# Allegro board MB1248D.brd (continued)
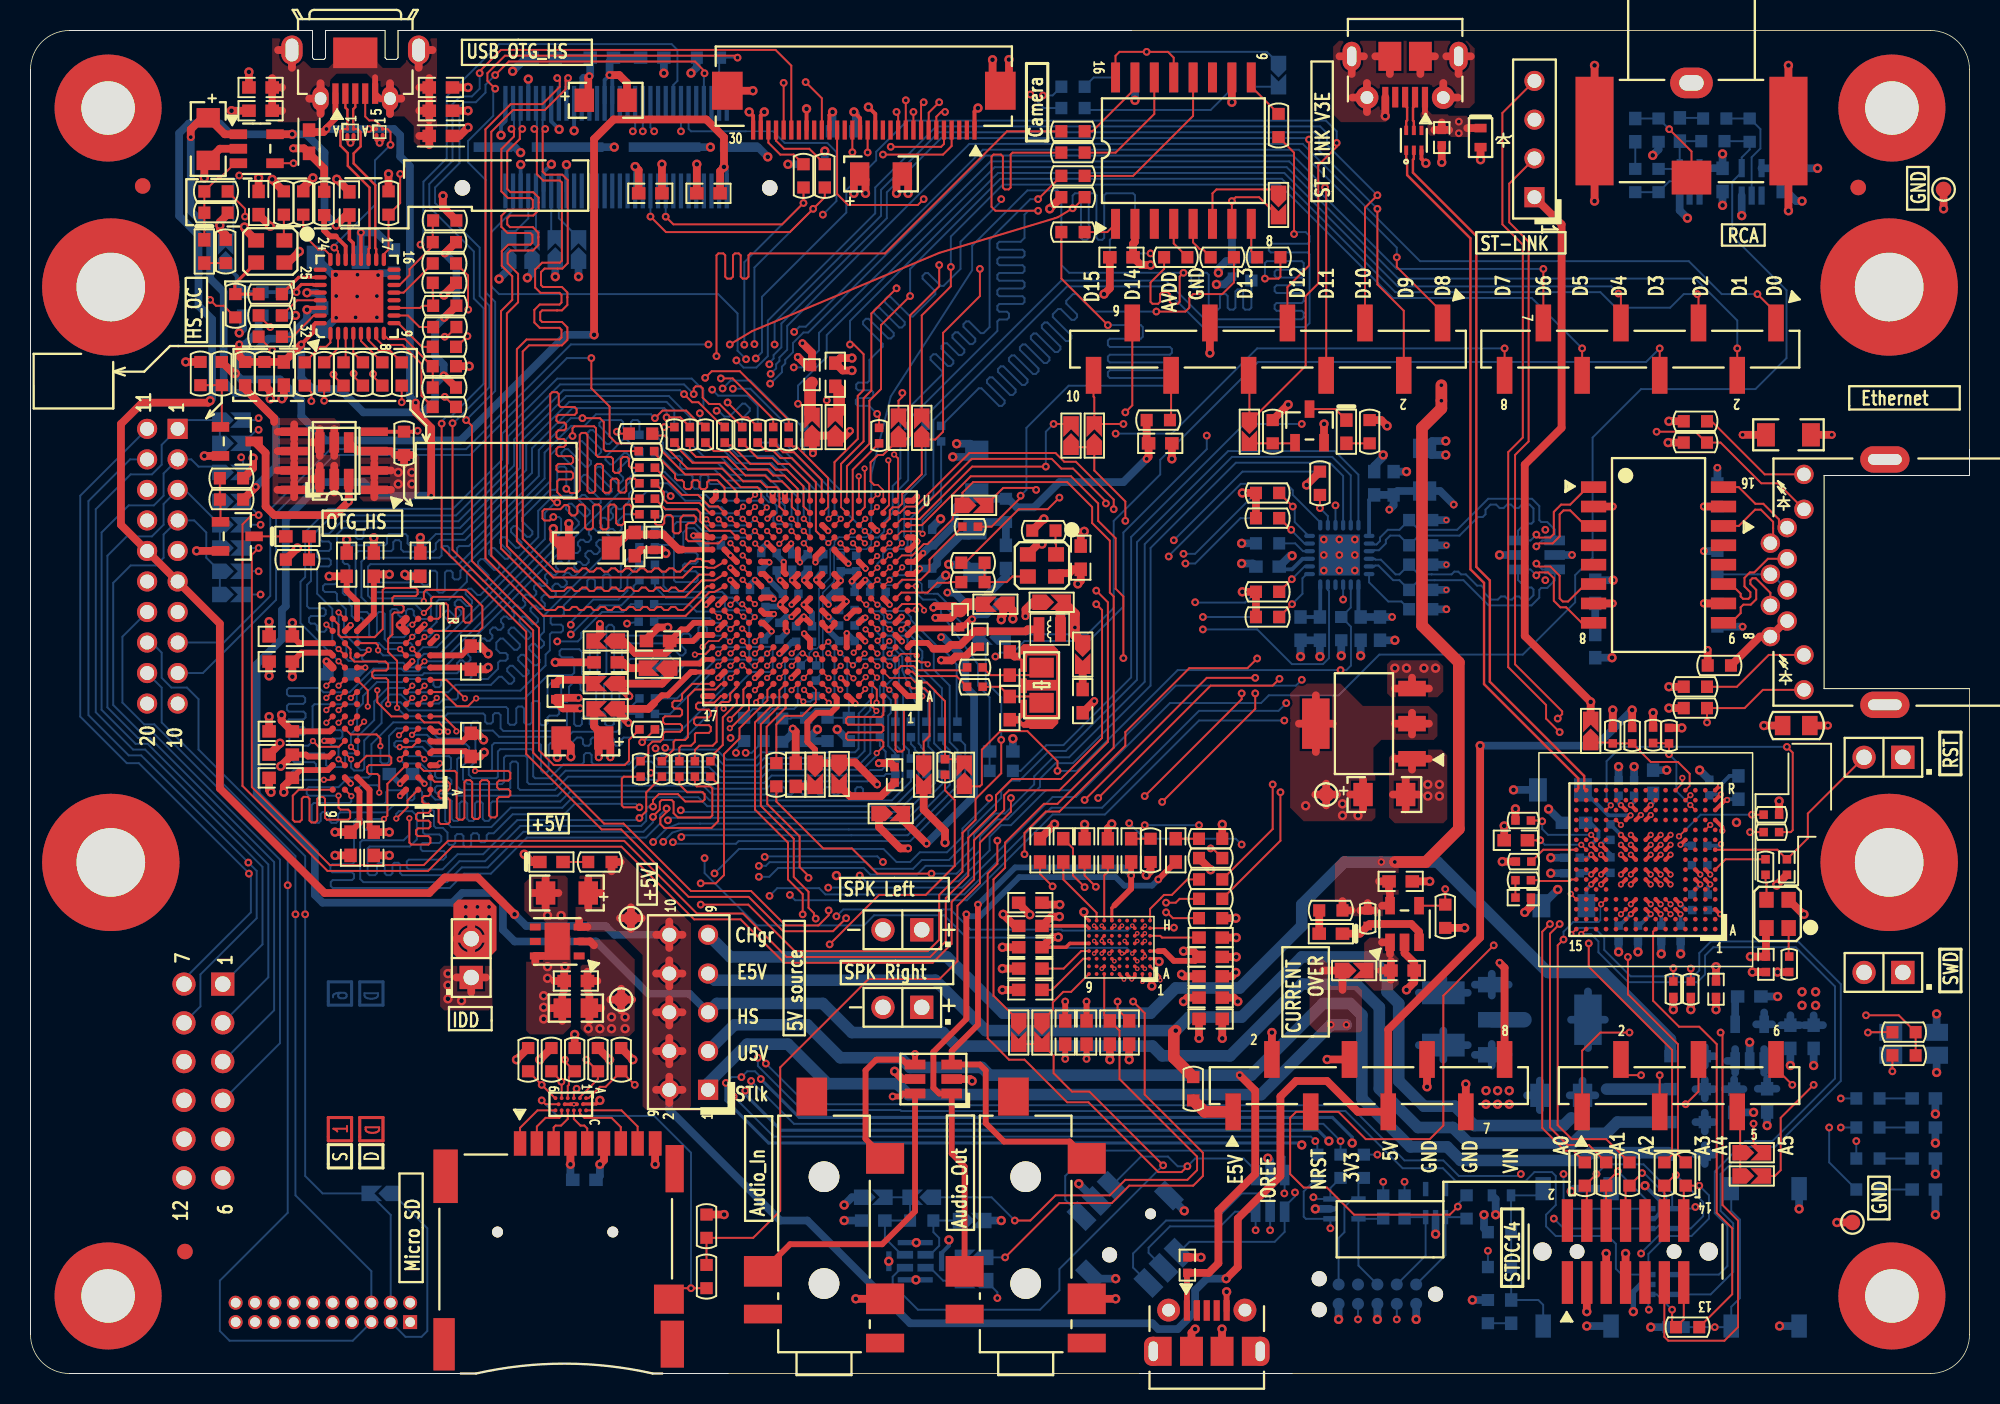
[diagram p0: board, top side]
## Routing (per net, layer and track width the routed paths; a pad name or vN(x,y) marks a point on that pad's centre or on a via; arc(x,y) is an arc through that point) (continued)
ULPI_D2: length 67.7
  TOP w0.127: v2(54.63,59.3) 54.64,59.3 54.64,56.77 U6.T5 ; v1(22.43,65.5) 22.43,65.34 R39.2
  L4_SIG w0.102: v2(54.63,59.3) 54.61,59.31 54.61,59.58 54.72,59.68 55.65,59.68 55.75,59.78 55.75,60.01 55.65,60.11 55.31,60.11 55.21,60.21 55.21,60.45 55.31,60.55 55.75,60.55 55.91,60.71 55.91,60.96 55.81,61.06 55.3,61.06 55.2,61.16 55.2,61.36 55.3,61.46 55.81,61.46 55.91,61.56 55.91,61.77 55.81,61.87 55.3,61.87 55.2,61.97 55.2,62.17 55.3,62.28 55.81,62.28 55.91,62.38 55.91,63.15 55.33,63.74 55.33,67.82 50.38,72.76 40.16,72.76 39.17,71.77 36.86,71.77 36.68,71.95 36.68,72.38 36.58,72.48 30.43,72.48 29.75,71.79 25.66,71.79 24.31,70.45 24.31,67.83 24.03,67.55 20.4,67.55 20.3,67.45 20.3,67.17 20.4,67.07 22.31,67.07 22.43,66.94 22.43,66.71 22.33,66.61 20.45,66.61 20.35,66.51 20.35,66.31 20.45,66.21 21.47,66.21 21.57,66.11 21.57,65.72 21.67,65.62 21.87,65.62 21.98,65.72 21.98,66.11 22.08,66.21 22.31,66.21 22.43,66.08 v1(22.43,65.5)
ULPI_D3: length 68.8
  TOP w0.102: U6.P11 49.46,54.78 v2(49.05,54.36)
  TOP w0.127: R40.2 v1(24.31,63.64)
  L4_SIG w0.102: v2(49.05,54.36) 49.48,54.8 49.48,55.36 49.74,55.61 50.09,55.61 50.27,55.79 50.27,56.35 50.68,56.76 50.68,57.24 52.63,59.19 52.63,62.24 52.91,62.52 52.91,64.91 52.63,65.2 52.63,67.86 50.88,69.61 38.03,69.61 37.9,69.48 37.9,68.87 37.77,68.75 36.43,68.75 36.33,68.65 36.33,67.83 36.23,67.73 36.02,67.73 35.92,67.83 35.92,68.65 35.82,68.75 35.62,68.75 35.51,68.65 35.51,67.83 35.41,67.73 35.21,67.73 35.11,67.83 35.11,68.65 35.01,68.75 34.8,68.75 34.7,68.65 34.7,67.83 34.6,67.73 34.4,67.73 34.29,67.83 34.29,68.65 34.19,68.75 33.99,68.75 33.89,68.65 33.89,67.83 33.79,67.73 33.58,67.73 33.48,67.83 33.48,68.65 33.38,68.75 33.18,68.75 33.08,68.65 33.08,67.83 32.97,67.73 32.77,67.73 32.67,67.83 32.67,68.65 32.57,68.75 32.36,68.75 32.26,68.65 32.26,67.83 32.16,67.73 31.96,67.73 31.86,67.83 31.86,68.65 31.75,68.75 31.55,68.75 31.45,68.65 31.45,67.83 31.35,67.73 31.15,67.73 31.04,67.83 31.04,68.65 30.94,68.75 30.74,68.75 30.64,68.65 30.64,67.83 30.54,67.73 30.33,67.73 30.23,67.83 30.23,68.65 30.13,68.75 29.93,68.75 29.82,68.65 29.82,67.91 29.7,67.78 29.49,67.78 29.39,67.88 29.39,68.67 29.32,68.75 26.75,68.75 26.24,68.24 26.24,63.31 25.89,62.96 24.41,62.96 24.31,63.06 v1(24.31,63.64)
ULPI_D4: length 64.5
  TOP w0.102: U6.P12 v2(48.25,55.2)
  TOP w0.127: R42.2 27.79,63.34 v1(27.13,64)
  L4_SIG w0.102: v1(27.13,64) 26.65,64 26.55,64.1 26.55,68.11 26.88,68.44 28.96,68.44 29.06,68.34 29.06,67.58 29.21,67.43 38.16,67.43 38.26,67.53 38.26,69.2 38.36,69.31 38.56,69.31 38.66,69.2 38.66,67.53 38.77,67.43 38.97,67.43 39.07,67.53 39.07,69.2 39.17,69.31 39.37,69.31 39.48,69.2 39.48,67.53 39.58,67.43 39.78,67.43 39.88,67.53 39.88,69.2 39.98,69.31 40.19,69.31 40.29,69.2 40.29,67.53 40.39,67.43 40.59,67.43 40.7,67.53 40.7,69.2 40.8,69.31 41,69.31 41.1,69.2 41.1,67.53 41.2,67.43 41.51,67.43 41.61,67.53 41.61,69.18 41.71,69.28 42.07,69.28 42.09,69.31 50.73,69.31 52.32,67.71 52.32,65.07 52.61,64.79 52.61,62.65 52.32,62.36 52.32,59.32 50.4,57.39 50.4,56.99 49.89,56.48 48.93,56.48 48.62,56.17 48.62,55.58 v2(48.25,55.2)
ULPI_D5: length 67.6
  TOP w0.102: U6.T14 v2(47.45,56.78)
  TOP w0.127: v1(28.62,67.97) 27.92,67.27 R29.2
  L4_SIG w0.102: v1(28.62,67.97) 28.24,67.97 28.1,67.83 28.1,63.44 28.2,63.34 28.45,63.34 28.55,63.44 28.55,65.22 28.66,65.32 28.86,65.32 28.96,65.22 28.96,63.44 29.06,63.34 29.27,63.34 29.37,63.44 29.37,66.99 29.47,67.1 29.67,67.1 29.77,66.99 29.77,63.44 29.88,63.34 30.18,63.34 30.28,63.44 30.28,66.89 30.41,67.02 35.57,67.02 35.67,66.92 35.67,66.41 35.77,66.31 35.97,66.31 36.07,66.41 36.07,66.92 36.18,67.02 37.41,67.02 37.51,66.92 37.51,66.46 37.61,66.36 37.81,66.36 37.91,66.46 37.91,66.92 38.02,67.02 38.22,67.02 38.32,66.92 38.32,66.46 38.42,66.36 38.63,66.36 38.73,66.46 38.73,66.92 38.83,67.02 39.03,67.02 39.13,66.92 39.13,66.46 39.24,66.36 39.44,66.36 39.54,66.46 39.54,66.92 39.64,67.02 39.84,67.02 39.95,66.92 39.95,66.46 40.05,66.36 40.25,66.36 40.35,66.46 40.35,66.92 40.45,67.02 40.66,67.02 40.76,66.92 40.76,66.46 40.86,66.36 41.06,66.36 41.17,66.46 41.17,66.92 41.27,67.02 41.47,67.02 41.57,66.92 41.57,66.46 41.67,66.36 41.88,66.36 41.98,66.46 41.98,68.76 42.17,68.95 42.37,68.95 42.42,69 50.6,69 51.64,67.96 51.64,67.71 51.64,67.71 51.64,62.96 51.36,62.68 51.36,61.13 47.81,57.58 47.81,57.44 47.45,57.08 v2(47.45,56.78)
ULPI_D6: length 67.7
  TOP w0.102: U6.U14 v2(47.46,57.59)
  TOP w0.127: v1(27.13,67.93) 27.26,67.93 R27.2
  L4_SIG w0.102: v1(27.13,67.93) 27.51,67.93 27.61,67.83 27.61,67.5 27.51,67.4 27.03,67.4 26.93,67.3 26.93,67.1 27.03,66.99 27.51,66.99 27.61,66.89 27.61,66.69 27.51,66.59 27.03,66.59 26.93,66.49 26.93,66.28 27.03,66.18 27.51,66.18 27.61,66.08 27.61,63.16 27.77,63.01 30.56,63.01 30.66,63.11 30.66,65.9 30.77,66 30.97,66 31.07,65.9 31.07,63.11 31.17,63.01 31.38,63.01 31.48,63.11 31.48,65.9 31.58,66 31.78,66 31.88,65.9 31.88,63.11 31.99,63.01 32.19,63.01 32.29,63.11 32.29,65.9 32.39,66 32.59,66 32.7,65.9 32.7,63.11 32.8,63.01 33,63.01 33.1,63.11 33.1,65.9 33.2,66 42.3,66 42.4,66.11 42.4,68.54 42.55,68.7 50.48,68.7 51.34,67.83 51.34,63.08 51.06,62.8 51.06,61.26 47.46,57.66 v2(47.46,57.59)
ULPI_D7: length 68.1
  TOP w0.127: v1(28.67,69.71) 28.66,69.72 28.66,71.95 R21.2 ; v2(54.67,44.85) 54.67,44.8 U6.A5
  L4_SIG w0.102: v1(28.67,69.71) 28.67,69.72 28.91,69.97 30.48,69.97 30.59,69.86 30.59,69.23 30.69,69.13 30.89,69.13 30.99,69.23 30.99,69.86 31.09,69.97 31.3,69.97 31.4,69.86 31.4,69.23 31.5,69.13 31.7,69.13 31.81,69.23 31.81,69.86 31.91,69.97 32.11,69.97 32.21,69.86 32.21,69.23 32.31,69.13 32.52,69.13 32.62,69.23 32.62,69.86 32.72,69.97 32.92,69.97 33.02,69.86 33.02,69.23 33.13,69.13 33.33,69.13 33.43,69.23 33.43,69.86 33.53,69.97 33.74,69.97 33.84,69.86 33.84,69.23 33.94,69.13 34.14,69.13 34.24,69.23 34.24,69.86 34.35,69.97 34.55,69.97 34.65,69.86 34.65,69.23 34.75,69.13 34.96,69.13 35.06,69.23 35.06,69.86 35.16,69.97 35.36,69.97 35.46,69.86 35.46,69.23 35.56,69.13 35.77,69.13 35.87,69.23 35.87,69.86 35.97,69.97 36.17,69.97 36.28,69.86 36.28,69.23 36.38,69.13 36.58,69.13 36.68,69.23 36.68,69.86 36.78,69.97 36.99,69.97 37.09,69.86 37.09,69.23 37.19,69.13 37.39,69.13 37.5,69.23 37.5,69.86 37.6,69.97 50.96,69.97 52.93,67.99 52.93,65.32 53.22,65.04 53.22,62.4 52.93,62.11 52.93,59.06 51.03,57.16 51.03,52.98 52.99,51.02 52.99,49.26 53.24,49.01 53.68,49.01 54.28,48.41 54.28,45.51 54.66,45.13 54.66,44.85 v2(54.67,44.85)
USB_DEV_HS_CN_N: length 2.3
  TOP w0.155: U1.5 90.61,82.05 90.55,82.1 90.55,82.93 90.69,83.07 CN2.2
USB_DEV_HS_CN_P: length 2.3
  TOP w0.155: CN2.3 90.04,83.08 90.17,82.95 90.17,82.12 90.11,82.06 U1.6
USB_DEV_HS_N: length 46.7
  TOP w0.155: U9.R14 101.76,38.35 101.76,39.15 95.59,45.33 95.59,51.96 94.7,52.85 94.7,74.54 90.55,78.69 90.55,79.54 90.61,79.59 U1.2
USB_DEV_HS_P: length 46.7
  TOP w0.155: U1.1 90.11,79.59 90.17,79.54 90.17,78.53 94.32,74.38 94.32,52.69 95.2,51.8 95.2,45.17 101.38,38.99 101.38,38.35 U9.R15
USB_VDDIO: length 36.8
  TOP w0.254: v1(17.73,67.43) 18.55,68.24 18.55,68.7 18.68,68.83 U4.32
  TOP w0.508: R41.2 27.08,65.39 v1(27.06,65.39) ; R16.2 v1(27.13,73.39) ; v1(27.09,69.18) 27.11,69.18 R25.2 ; v1(13.67,67.43) 13.67,66.66 R33.2 R34.2 C14.1 v1(17.73,67.43)
  BOTTOM w0.508: R137.2 14.94,69.08 14.94,68.31 14.05,67.43 v1(13.67,67.43) ; v1(27.13,73.39) 27.89,72.63 27.89,69.99 v1(27.09,69.18) 26.5,68.59 26.5,66.66 27.06,66.1 v1(27.06,65.39) 26.5,64.83 26.5,63.74 25.74,62.98 21.8,62.98 20.27,64.5 18.47,64.5 17.73,65.24 v1(17.73,67.43)
VREF+: length 22.5
  TOP w0.381: U6.M1 57.89,53.19 v2(58.47,53.76)
  TOP w0.508: R43.2 73.11,61.08 C18.2 73.23,60.06 v1(73.11,59.93)
  BOTTOM w0.508: v2(58.47,53.76) 58.97,54.27 C90.2 59.19,54.27 60.53,55.61 60.53,56.68 61.55,57.7 C87.1 62.36,57.32 R158.2 64.04,57.32 64.6,56.76 65.74,56.76 67.39,58.41 71.58,58.41 v1(73.11,59.93)

## Copper pours and planes (outline as drawn; the poured copper is in the pictures)
3V3_STLK on TOP (solid shape): 102.7,42.01 102.19,42.52 101.68,42.01 101.68,43.37 102.7,43.37
3V3_STLK on BOTTOM: 113.11,24.12 114.64,24.12 115.02,24.5 115.02,25.13 115.4,25.52 117.43,25.52 117.81,25.13 117.81,22.47 117.56,22.21 113.24,22.21 112.86,22.59 112.86,23.86
3V3_STLK on L3_VCC: 120.84,19.29 117.66,22.47 109.53,22.47 108.77,23.23 101.41,23.23 100.79,23.84 100.79,29.81 98.13,32.48 98.13,43.06 99.5,44.44 102.85,44.44 104.88,42.41 112.33,42.41 113.22,43.3 115.29,43.3 115.4,43.19 115.4,41.67 115.93,41.14 118.04,41.14 118.93,42.03 126.49,42.03 126.49,19.29
5V_USB_CHGR on TOP: 89.24,29.96 85.55,29.96 85.43,30.09 85.43,33.39 85.93,33.9 89.49,33.9 89.62,33.77 89.62,30.34
5V_USB_CHGR on TOP: 91.8,82.51 92.82,82.51 92.92,82.41 94.05,82.41 94.34,82.13 94.34,81.24 94.13,81.03 93.05,81.03 92.96,81.11 91.67,81.11 91.5,81.29 91.5,81.87 91.04,82.33 91.04,82.58 91.22,82.76 91.55,82.76
5V_USB_STLK on TOP (solid shape): 86.85,26.4 86.35,25.9 85.43,25.9 85.43,26.91 86.35,26.91
5V_USB_STLK on TOP: 84.28,22.34 83.77,22.85 83.77,26.91 84.03,27.17 84.66,27.17 84.92,26.91 84.92,25.64 85.17,25.39 86.95,25.39 87.2,25.13 87.2,22.47 87.08,22.34
+1V8 on TOP: 83.14,45.2 85.81,45.2 87.27,43.74 91.58,43.74 92.16,43.17 92.16,41.77 91.9,41.52 88.47,41.52 87.97,41.01 87.97,39.36 88.09,39.23 88.09,36.44 87.84,36.18 83.39,36.18 82.5,37.07 82.5,44.57
+1V8 on BOTTOM: 77.55,26.66 75.01,26.66 75.01,27.55 73.11,29.45 67.26,29.45 66.88,29.83 66.88,30.98 67.39,31.48 76.41,31.48 84.28,39.36 86.06,39.36 87.46,37.96 87.46,36.56
+3V3 on TOP (solid shape): 59.01,37.96 57.99,37.96 57.99,39.32 58.5,38.82 59.01,39.33
+3V3 on BOTTOM (solid shape): 55.36,11.55 54.85,11.04 53.93,11.04 53.93,12.05 54.85,12.05
+3V3 on TOP: 21.54,60.69 24.85,60.69 25.48,60.06 25.48,57.77 24.85,57.14 21.8,57.14 21.54,57.39
+3V3 on TOP: 30.26,26.46 30.26,24.05 30.01,23.79 27.09,23.79 26.83,24.05 26.83,26.46 27.09,26.71 30.01,26.71
+3V3 on TOP: 88.85,44.57 88.85,46.47 89.11,46.72 92.16,46.72 92.54,46.34 92.54,44.69 92.16,44.31 89.11,44.31
+3V3 on TOP: 36.66,26.91 36.66,28.44 38.27,28.44 39.58,27.13 39.58,22.47 39.2,22.09 36.53,22.09 36.02,22.59 36.02,26.66 36.15,26.79 36.53,26.79
+3V3 on L3_VCC: 72.47,0.37 72.47,0.38 72.34,0.51 40.8,0.51 34.97,1.15 29.14,0.51 2.54,0.51 1.1,1.1 0.51,2.54 0.51,85.46 1.1,86.9 2.54,87.49 15.07,87.49 15.07,82.05 15.6,81.52 18.86,81.52 20.15,82.81 20.15,84.59 20.25,84.7 21.82,84.7 22.05,84.47 22.05,83.07 23.22,81.9 24.23,81.9 24.59,81.54 24.59,80.53 25.25,79.87 26.6,79.87 27.13,80.4 27.13,87.49 124.46,87.49 125.9,86.9 126.49,85.46 126.49,61.96 119.31,61.96 118.04,63.23 114.36,63.23 113.85,63.74 109.32,63.74 108.79,63.21 108.79,42.94 108.81,42.91 105.09,42.91 103.06,44.95 99.29,44.95 97.62,43.27 97.62,32.27 100.28,29.6 100.28,23.63 101.19,22.72 108.56,22.72 109.32,21.96 117.45,21.96 120.63,18.78 126.49,18.78 126.49,2.54 125.9,1.1 124.46,0.51 81.36,0.51 81.22,0.37 ; 1 cut-out
+5V on TOP: 38.56,28.94 35.82,28.94 35.69,29.07 35.69,32.3 36.02,32.63 37.29,32.63 37.55,32.88 37.55,33.9 37.72,34.08 38.69,34.08 43.26,29.5 43.26,17.51 43.01,17.26 40.34,17.26 40.09,17.51 40.09,27.42
GND on TOP (solid shape): 64.47,49.9 63.55,49.9 63.04,50.41 63.55,50.92 64.47,50.92
GND on TOP (solid shape): 67.31,47.41 67.31,42.61 66.93,42.23 65.46,42.23 65.39,42.31 65,42.31 64.83,42.48 64.83,44.15 65.27,44.15 65.27,43.15 67.18,43.15 67.18,44.75 65.27,44.75 65.27,44.58 64.83,44.58 64.83,45.54 65.27,45.54 65.27,45.45 67.18,45.45 67.18,47.05 65.27,47.05 65.27,45.98 64.83,45.98 64.83,47.59 65.03,47.79 66.93,47.79
GND on BOTTOM (solid shape): 31.83,73.3 31.83,72.38 30.82,72.38 30.82,73.3 31.32,73.81
GND on BOTTOM (solid shape): 33.36,73.3 33.36,72.38 32.34,72.38 32.34,73.3 32.85,73.81
GND on BOTTOM (solid shape): 34.88,73.3 34.88,72.38 33.86,72.38 33.86,73.3 34.37,73.81
GND on BOTTOM (solid shape): 36.4,73.3 36.4,72.38 35.39,72.38 35.39,73.3 35.9,73.81
GND on BOTTOM (solid shape): 62.95,9.51 61.58,9.51 62.09,10.02 61.58,10.53 62.95,10.53
GND on TOP: 32.34,30.34 32.34,32.12 32.85,32.63 35.01,32.63 35.26,32.37 35.26,29 35.39,28.87 35.39,22.72 34.88,22.21 32.72,22.21 32.47,22.47 32.47,27.42 32.59,27.55 33.61,27.55 33.74,27.67 33.74,29.58 33.48,29.83 32.85,29.83
GND on TOP: 94.59,83.27 94.25,82.92 92.03,82.92 91.8,83.15 91.8,84.41 88.88,84.41 88.88,82.13 88.75,82 85.83,82 85.32,82.51 85.32,86.95 85.7,87.33 94.09,87.33 94.59,86.82
GND on TOP: 88.98,36.44 88.98,40.37 89.49,40.88 92.41,40.88 92.79,40.5 92.79,36.31 92.54,36.06 89.36,36.06
GND on BOTTOM: 99.65,19.17 99.65,17.26 99.4,17.01 92.66,17.01 90.38,19.29 90.38,22.47 90.89,22.98 94.19,22.98 94.44,22.72 94.44,22.09 94.57,21.96 96.86,21.96
GND on L2_GND, L5_GND: 2.54,0.51 1.1,1.1 0.51,2.54 0.51,85.46 1.1,86.9 2.54,87.49 15.07,87.49 15.07,82.05 15.6,81.52 18.86,81.52 20.15,82.81 20.15,84.59 20.25,84.7 21.82,84.7 22.05,84.47 22.05,83.07 23.22,81.9 24.23,81.9 24.59,81.54 24.59,80.53 25.25,79.87 26.6,79.87 27.13,80.4 27.13,87.49 124.46,87.49 125.9,86.9 126.49,85.46 126.49,61.96 119.31,61.96 118.04,63.23 114.36,63.23 113.85,63.74 109.32,63.74 108.79,63.21 108.79,42.94 109.32,42.41 112.33,42.41 113.22,43.3 115.29,43.3 115.4,43.19 115.4,41.67 115.93,41.14 118.04,41.14 118.93,42.03 126.49,42.03 126.49,2.54 125.9,1.1 124.46,0.51 40.8,0.51 34.97,1.15 29.14,0.51 ; 2 cut-outs
GND-SD on TOP (solid shape): 62.79,50.41 63.3,49.9 61.93,49.9 61.93,50.92 63.29,50.92
GND-SD on L3_VCC: 52.76,39.61 50.99,41.39 44.26,41.39 40.19,45.45 38.71,45.45 38.18,44.92 38.18,42.53 36.38,42.53 35.51,43.4 35.51,45.86 37.52,47.87 41.76,47.87 43.41,46.22 53.06,46.22 53.29,45.98 53.29,44.46 53.7,44.06 55.43,44.06 56.09,44.71 56.09,54.45 55.43,55.11 47.81,55.11 47.33,55.59 47.33,56.65 47.56,56.88 49.08,56.88 50.12,57.92 50.12,59.15 48.95,60.31 41.23,60.31 41.23,67.32 43.75,69.84 49.76,69.84 51.26,68.34 51.26,61.86 54.59,58.54 55.98,58.54 59.9,54.62 59.9,42.89 56.62,39.61
VDD_MCU on TOP (solid shape): 37.26,48 37.77,47.49 36.4,47.49 36.4,48.5 37.76,48.5
VDD_MCU on TOP (solid shape): 37.26,43.55 37.77,43.04 36.4,43.04 36.4,44.06 37.76,44.06
VDD_MCU on TOP (solid shape): 30.52,30.6 30.52,27.73 30.01,27.22 27.98,27.22 27.7,27.5 27.7,28.49 27.95,28.49 27.95,28.4 27.96,28.32 27.98,28.24 28.01,28.15 28.05,28.08 28.09,28 28.14,27.93 28.19,27.87 28.26,27.81 28.32,27.75 28.39,27.7 28.47,27.66 28.55,27.63 28.63,27.61 28.71,27.59 28.8,27.58 28.89,27.58 28.97,27.58 29.06,27.6 29.14,27.62 29.22,27.65 29.3,27.68 29.37,27.73 29.44,27.78 29.5,27.84 29.56,27.9 29.61,27.97 29.66,28.04 29.7,28.12 29.73,28.2 29.75,28.28 29.77,28.36 29.78,28.45 29.78,28.53 29.77,28.62 29.75,28.7 29.73,28.79 29.7,28.87 29.66,28.94 29.61,29.01 29.56,29.08 29.5,29.15 29.44,29.2 29.37,29.25 29.3,29.3 29.22,29.33 29.14,29.36 29.06,29.39 28.97,29.4 28.89,29.41 28.8,29.4 28.71,29.39 28.63,29.38 28.55,29.35 28.47,29.32 28.39,29.28 28.32,29.23 28.26,29.17 28.19,29.11 28.14,29.05 28.09,28.98 28.05,28.9 28.01,28.83 27.98,28.74 27.96,28.66 27.95,28.58 27.95,28.49 27.7,28.49 27.7,30.75 28,31.05 30.06,31.05
VDD_MCU on L3_VCC: 27.24,27.42 26.62,28.03 26.62,33.79 30.94,38.11 30.94,57.29 33.46,59.81 48.74,59.81 49.61,58.94 49.61,58.13 48.87,57.39 47.35,57.39 46.82,56.86 46.82,55.38 47.6,54.6 55.22,54.6 55.58,54.24 55.58,44.92 55.22,44.57 53.91,44.57 53.8,44.67 53.8,46.19 53.27,46.72 43.62,46.72 41.97,48.38 37.31,48.38 35.01,46.07 35.01,43.19 36.17,42.03 38.18,42.03 38.18,33.49 32.11,27.42
VDD_SDC on TOP (solid shape): 69.42,47.46 68.92,46.95 68.41,47.46 68.41,48.38 69.42,48.38
VDD_SDC on TOP (solid shape): 57.61,36.18 56.25,36.18 56.76,36.69 56.25,37.2 57.61,37.2
VDD_SDC on TOP (solid shape): 68.15,50.03 66.79,50.03 67.3,50.53 66.79,51.04 68.15,51.04
VIN on BOTTOM: 90.89,27.55 96.35,27.55 97.36,26.53 97.36,24.88 96.73,24.25 91.01,24.25 90.51,24.75 90.51,27.17
(no net) on TOP: 27.7,30.75 28,31.05 30.06,31.05 30.52,30.6 30.52,27.73 30.01,27.22 27.98,27.22 27.7,27.5
(no net) on TOP: 66.93,42.23 65.08,42.23 64.83,42.48 64.83,47.59 65.03,47.79 66.93,47.79 67.31,47.41 67.31,42.61
DCMI_D5 on BOTTOM (solid shape): 22.53,11.8 23.03,11.29 21.67,11.29 21.67,12.31 23.04,12.31
E5V on BOTTOM: 103.59,24.88 103.59,16.88 103.21,16.5 100.79,16.5 100.54,16.75 100.54,19.55 97.49,22.59 96.98,22.59 96.98,23.74 97.74,23.74 98.76,24.75 98.76,25.26 99.14,25.64 102.82,25.64
EGND on L2_GND, L3_VCC, L5_GND: 116.14,41.64 115.91,41.88 115.91,43.4 115.5,43.8 113.01,43.8 112.12,42.91 109.53,42.91 109.3,43.15 109.3,63 109.53,63.23 113.64,63.23 114.15,62.73 117.83,62.73 119.1,61.46 126.49,61.46 126.49,59.35 116.97,59.35 116.97,44.36 126.49,44.36 126.49,42.53 118.72,42.53 117.83,41.64
MIC_CLK on BOTTOM (solid shape): 61.39,7.61 61.89,7.1 60.53,7.1 60.53,8.12 61.9,8.12
MIC_CLK on BOTTOM (solid shape): 61.39,6.08 61.89,5.58 60.53,5.58 60.53,6.59 61.9,6.59
MIC_DATA on TOP (solid shape): 65.23,21.07 64.22,21.07 64.22,22.43 64.72,21.93 65.23,22.44
MIC_DATA on TOP (solid shape): 66.76,21.07 65.74,21.07 65.74,22.43 66.25,21.93 66.76,22.44
NCS2 on TOP (solid shape): 82.25,75.3 81.23,75.3 81.23,76.66 81.74,76.16 82.25,76.67
NETC1_1 on TOP: 26.62,80.58 26.39,80.34 25.48,80.34 25.1,80.72 25.1,81.74 24.47,82.37 23.43,82.37 22.56,83.24 22.56,84.64 22.03,85.17 20.04,85.17 19.64,84.77 19.64,82.99 18.64,81.99 16.21,81.99 15.83,82.37 15.83,87.49 17.73,87.49 17.73,86.18 18.37,85.55 19.51,85.55 19.89,85.93 19.89,87.49 22.69,87.49 22.69,85.93 23.07,85.55 24.21,85.55 24.59,85.93 24.59,87.24 24.85,87.49 26.62,87.49
NETC1_1 on BOTTOM, L4_SIG: 26.62,80.56 26.39,80.33 25.48,80.33 25.1,80.71 25.1,81.73 24.47,82.36 23.43,82.36 22.56,83.23 22.56,84.63 22.03,85.16 20.04,85.16 19.64,84.75 19.64,82.98 18.64,81.98 16.21,81.98 15.83,82.36 15.83,87.48 17.86,87.48 17.86,86.05 18.37,85.54 19.51,85.54 19.89,85.92 19.89,87.48 22.69,87.48 22.69,85.92 23.07,85.54 24.21,85.54 24.59,85.92 24.59,87.48 26.62,87.48
NETC1_1 on L2_GND, L3_VCC, L5_GND: 25.46,80.38 25.1,80.74 25.1,81.75 24.44,82.41 23.43,82.41 22.56,83.28 22.56,84.68 22.03,85.21 20.04,85.21 19.64,84.8 19.64,83.02 18.64,82.03 15.81,82.03 15.58,82.26 15.58,87.49 17.96,87.49 17.96,86 18.36,85.61 19.43,85.61 19.83,86 19.83,87.49 22.71,87.49 22.71,86 23.11,85.61 24.18,85.61 24.58,86 24.58,87.49 26.62,87.49 26.62,80.61 26.39,80.38
NETC15_2 on TOP (solid shape): 53.47,38.01 52.46,38.01 52.46,39.37 52.96,38.87 53.47,39.38
NETC16_2 on TOP (solid shape): 53.22,61.92 52.71,62.43 52.2,61.92 52.2,63.29 53.22,63.29
NETC17_2 on L4_SIG: 109.6,63.16 111.89,63.16 112.39,62.65 112.39,46.27 112.01,45.89 109.6,45.89 109.22,46.27 109.22,62.78
NETC28_2 on TOP (solid shape): 38.94,47.49 38.02,47.49 37.51,47.99 38.02,48.5 38.94,48.5
NETC32_2 on TOP (solid shape): 40.69,46.22 41.2,45.71 39.83,45.71 39.83,46.72 41.19,46.72
NETC33_2 on TOP (solid shape): 37.26,45.2 37.77,44.69 36.4,44.69 36.4,45.71 37.76,45.71
NETC39_2 on TOP (solid shape): 51.69,61.92 51.19,62.43 50.68,61.92 50.68,63.29 51.69,63.29
NETC40_2 on TOP (solid shape): 51.9,37.96 50.88,37.96 50.88,39.32 51.39,38.82 51.9,39.33
NETC63_2 on TOP (solid shape): 87.97,25.9 86.6,25.9 87.11,26.4 86.6,26.91 87.97,26.91
NETC63_2 on TOP: 87.99,25.08 89.18,25.08 89.62,25.52 89.62,27.17 89.36,27.42 89.36,28.44 89.24,28.56 87.71,28.56 87.36,28.21 87.36,25.72
NETC73_2 on BOTTOM (solid shape): 59.64,11.04 58.72,11.04 58.22,11.55 58.72,12.05 59.64,12.05
NETC86_1 on L4_SIG: 105.41,48.81 88.9,48.81 88.65,49.06 88.65,57.06 88.9,57.32 105.54,57.32 105.79,57.06 105.79,49.19
NETC147_2 on BOTTOM: 108.79,21.32 109.05,21.58 111.71,21.58 111.97,21.32 111.97,19.55 112.1,19.42 112.98,19.42 113.24,19.67 113.24,21.45 113.37,21.58 114.38,21.58 114.51,21.45 114.51,18.4 114.25,18.15 110.95,18.15 110.57,17.77 110.57,13.7 110.32,13.45 109.17,13.45 108.79,13.83
NETC150_1 on BOTTOM (solid shape): 56.47,11.04 55.1,11.04 55.61,11.55 55.11,12.05 56.47,12.05
NETC150_1 on BOTTOM (solid shape): 57.96,11.54 58.47,11.04 57.1,11.04 57.1,12.05 58.47,12.05
NETC152_2 on TOP (solid shape): 69.42,45.84 68.41,45.84 68.41,47.2 68.91,46.69 69.42,47.2
NETCN6_4 on BOTTOM (solid shape): 64.22,47.74 63.3,47.74 62.79,48.25 63.3,48.76 64.22,48.76
NETCN6_6 on TOP (solid shape): 58.88,61.87 58.38,62.38 57.87,61.87 57.87,63.23 58.88,63.23
NETCN7_12 on TOP (solid shape): 61.68,38.88 61.68,37.96 60.66,37.96 60.66,38.88 61.17,39.39
NETCN9_5 on TOP (solid shape): 112.9,14.47 112.39,13.96 111.47,13.96 111.47,14.97 112.39,14.97
NETCN9_5 on TOP (solid shape): 112.9,12.94 112.39,12.43 111.47,12.43 111.47,13.45 112.39,13.45
NETCN9_6 on TOP (solid shape): 68.66,61.11 68.66,60.19 67.65,60.19 67.65,61.11 68.15,61.62
NETCN9_6 on TOP (solid shape): 70.19,61.11 70.19,60.19 69.17,60.19 69.17,61.11 69.68,61.62
NETCN15_8 on BOTTOM (solid shape): 31.83,73.55 31.32,74.06 30.82,73.56 30.82,74.92 31.83,74.92
NETCN15_10 on BOTTOM (solid shape): 33.36,73.55 32.84,74.06 32.34,73.56 32.34,74.92 33.36,74.92
NETCN15_14 on BOTTOM (solid shape): 34.88,73.55 34.37,74.06 33.86,73.56 33.86,74.92 34.88,74.92
NETCN15_16 on BOTTOM (solid shape): 36.4,73.55 35.89,74.06 35.39,73.56 35.39,74.92 36.4,74.92
NETCN17_3 on BOTTOM (solid shape): 24.21,11.29 23.29,11.29 22.78,11.8 23.29,12.31 24.21,12.31
NETP2_13 on TOP (solid shape): 57.36,61.87 56.85,62.38 56.34,61.87 56.34,63.23 57.36,63.23
NETR45_1 on TOP (solid shape): 80.35,60.44 79.33,60.44 79.33,61.8 79.83,61.3 80.35,61.81
NETR87_1 on BOTTOM (solid shape): 63.07,5.58 62.15,5.58 61.64,6.08 62.15,6.59 63.07,6.59
NETR136_1 on BOTTOM (solid shape): 13.29,73.05 13.29,72.12 12.27,72.12 12.27,73.05 12.78,73.55
NETR213_1 on BOTTOM (solid shape): 61.83,10.02 61.33,9.51 60.41,9.51 60.41,10.53 61.33,10.53
NETSB1_2 on TOP (solid shape): 38.94,44.69 38.02,44.69 37.51,45.2 38.02,45.71 38.94,45.71
NETSB1_2 on TOP (solid shape): 42.37,45.71 41.45,45.71 40.94,46.22 41.45,46.72 42.37,46.72
NETSB1_2 on TOP (solid shape): 51.69,61.67 51.69,60.75 50.68,60.75 50.68,61.67 51.19,62.17
NETSB1_2 on TOP (solid shape): 51.9,39.58 51.39,39.07 50.88,39.58 50.88,40.5 51.9,40.5
NETSB1_2 on TOP (solid shape): 53.22,61.67 53.22,60.75 52.2,60.75 52.2,61.67 52.71,62.17
NETSB1_2 on TOP (solid shape): 53.47,39.63 52.96,39.12 52.46,39.63 52.46,40.55 53.47,40.55
NETSB1_2 on TOP (solid shape): 67.04,50.53 66.53,50.03 65.61,50.03 65.61,51.04 66.53,51.04
NETSB1_2 on L3_VCC: 46.29,36.82 39.56,43.55 38.69,43.55 38.69,44.71 38.92,44.95 39.98,44.95 44.04,40.88 50.78,40.88 52.55,39.1 56.83,39.1 60.41,42.68 60.41,54.83 56.19,59.04 54.8,59.04 51.77,62.07 51.77,62.35 56.24,62.35 62.69,55.89 62.69,52.59 65.49,49.79 65.49,48.1 64.47,47.08 64.47,42.89 58.4,36.82
NETSB8_1 on TOP (solid shape): 63.07,56.38 61.71,56.38 62.22,56.88 61.71,57.39 63.07,57.39
NETSB16_2 on TOP (solid shape): 59.01,39.58 58.5,39.07 57.99,39.58 57.99,40.5 59.01,40.5
NETSB22_2 on TOP (solid shape): 66.76,22.69 66.25,22.18 65.74,22.69 65.74,23.61 66.76,23.61
NETSB25_1 on BOTTOM (solid shape): 81.74,84.66 82.25,85.17 82.25,83.81 81.23,83.81 81.23,85.17
NETSB44_2 on BOTTOM (solid shape): 63.07,7.1 62.15,7.1 61.64,7.61 62.15,8.12 63.07,8.12
NETSB47_2 on TOP (solid shape): 82.25,76.92 81.74,76.41 81.23,76.92 81.23,77.84 82.25,77.84
NETSB48_2 on TOP (solid shape): 38.94,43.04 38.02,43.04 37.51,43.55 38.02,44.06 38.94,44.06
NETSB48_2 on TOP (solid shape): 56.5,36.69 55.99,36.18 55.07,36.18 55.07,37.2 55.99,37.2
NETSB48_2 on L3_VCC: 51.77,65.01 58.25,65.01 64.98,58.28 64.98,53.46 67.65,50.79 67.65,42.53 64.22,39.1 62.95,39.1 57.61,33.77 46.06,33.77 44.02,35.8 38.69,35.8 38.69,43.04 39.32,43.04 46.06,36.31 58.63,36.31 64.98,42.66 64.98,46.85 65.99,47.87 65.99,50.03 63.2,52.82 63.2,56.12 56.47,62.85 51.77,62.85
NRST on BOTTOM (solid shape): 13.29,73.3 12.78,73.81 12.27,73.3 12.27,74.66 13.29,74.66
PA0 on BOTTOM (solid shape): 14.43,61.96 13.07,61.96 13.58,62.47 13.07,62.98 14.43,62.98
PA4 on TOP (solid shape): 57.36,61.62 57.36,60.69 56.34,60.69 56.34,61.62 56.85,62.12
PA6 on TOP (solid shape): 58.88,61.62 58.88,60.69 57.87,60.69 57.87,61.62 58.37,62.12
PA11 on BOTTOM (solid shape): 14.43,60.44 13.07,60.44 13.58,60.95 13.07,61.46 14.43,61.46
PA12 on BOTTOM (solid shape): 14.43,50.53 13.07,50.53 13.58,51.04 13.07,51.55 14.43,51.55
PB2 on BOTTOM (solid shape): 82.25,85.43 81.74,84.92 81.23,85.43 81.23,86.35 82.25,86.35
PC1 on TOP (solid shape): 61.96,56.88 61.45,56.38 60.53,56.38 60.53,57.39 61.45,57.39
PC1 on TOP (solid shape): 65.23,22.69 64.72,22.18 64.22,22.69 64.22,23.61 65.23,23.61
PC2 on BOTTOM (solid shape): 14.43,53.58 13.07,53.58 13.58,54.09 13.07,54.6 14.43,54.6
PC2_C on TOP (solid shape): 114.01,13.96 112.65,13.96 113.16,14.46 112.65,14.97 114.01,14.97
PC3 on BOTTOM (solid shape): 14.43,56.63 13.07,56.63 13.58,57.14 13.07,57.65 14.43,57.65
PC3_C on TOP (solid shape): 68.66,61.37 68.16,61.87 67.65,61.36 67.65,62.73 68.66,62.73
PD4 on BOTTOM (solid shape): 14.43,52.06 13.07,52.06 13.58,52.57 13.07,53.07 14.43,53.07
PD5 on BOTTOM (solid shape): 14.43,58.54 13.07,58.54 13.58,59.05 13.07,59.55 14.43,59.55
PD6 on BOTTOM (solid shape): 14.43,55.11 13.07,55.11 13.58,55.62 13.07,56.12 14.43,56.12
PD12 on TOP (solid shape): 70.19,61.37 69.68,61.87 69.17,61.36 69.17,62.73 70.19,62.73
PD13 on TOP (solid shape): 114.01,12.43 112.65,12.43 113.16,12.94 112.65,13.45 114.01,13.45
PE2 on TOP (solid shape): 61.68,39.14 61.17,39.65 60.66,39.14 60.66,40.5 61.68,40.5
PF8 on BOTTOM (solid shape): 62.53,48.25 63.04,47.74 61.68,47.74 61.68,48.76 63.04,48.76
PK0 on TOP (solid shape): 80.35,62.06 79.84,61.55 79.33,62.06 79.33,62.98 80.35,62.98
PMOD#1 on BOTTOM (solid shape): 13.32,62.47 12.81,61.96 11.89,61.96 11.89,62.98 12.81,62.98
PMOD#1 on BOTTOM (solid shape): 13.32,60.95 12.81,60.44 11.89,60.44 11.89,61.46 12.81,61.46
PMOD#2 on BOTTOM (solid shape): 13.32,59.04 12.81,58.54 11.89,58.54 11.89,59.55 12.81,59.55
PMOD#2 on BOTTOM (solid shape): 13.32,57.14 12.81,56.63 11.89,56.63 11.89,57.65 12.81,57.65
PMOD#3 on BOTTOM (solid shape): 13.32,55.61 12.81,55.11 11.89,55.11 11.89,56.12 12.81,56.12
PMOD#3 on BOTTOM (solid shape): 13.32,54.09 12.81,53.58 11.89,53.58 11.89,54.6 12.81,54.6
PMOD#4 on BOTTOM (solid shape): 13.32,52.57 12.81,52.06 11.89,52.06 11.89,53.07 12.81,53.07
PMOD#4 on BOTTOM (solid shape): 13.32,51.04 12.81,50.53 11.89,50.53 11.89,51.55 12.81,51.55
T1_D on TOP: 15.85,62.37 16.08,62.6 19.89,62.6 20.27,62.22 20.27,57.27 19.96,56.95 15.89,56.95 15.85,56.99
T_PWR_EXT on TOP (solid shape): 102.7,41.75 102.7,40.83 101.68,40.83 101.68,41.75 102.19,42.26
GND on TOP (solid shape): 74.74,0.5 73.44,0.5 73.09,0.65 72.94,1 72.94,1.9 73.09,2.26 73.44,2.4 74.74,2.4
GND on TOP (solid shape): 80.64,2.4 81,2.26 81.14,1.9 81.14,1 81,0.65 80.64,0.5 79.34,0.5 79.34,2.4

Small or netless copper shapes (teardrops, artwork), in the pictures only: 4 on BOTTOM

## Text on the board
Ref Des/Silkscreen Bottom: STMod+ | PMOD | 7 | 12 | NA | GND | PC6 | PJ13 | +3V3 | Audio _Con | 1 | 6 | PA11/PA0 | PC3/PD5 | PC2/PD6 | PA12/PD4 | 11 | 20 | PA4 | PF8 | PC7 | PD3 | PB9 | PB8 | +5V | www.st.com/stm32h7-discovery | PD12 | PB15 | PB14 | PD13 | 10 | TAG | A | PMOD Table | DSI LCD | STMod+Table | COM | MB1248D | Wakeup | Reset | Joystick | STM32H747I-DISCO
TOP: 1
Ref Des/Silkscreen Top: OTG_HS | IDD | USB OTG_HS | +5V | CHgr | STlk | E5V | HS | U5V | SPK Left | SPK Right | ST-LINK | RCA | Ethernet | 11 | 20 | 10 | 1 | 12 | 7 | HS_OC | 6 | Micro SD | Audio_In | 5V source | Audio_Out | Camera | D15 | D14 | AVDD | GND | D13 | IOREF | CURRENT | D12 | OVER | NRST | ST-LINK V3E | D11 | 3V3 | D10 | 5V | D9 | D8 | D7 | VIN | STDC14 | D6 | A0 | D5 | A1 | D4 | A2 | D3 | D2 | A3 | A4 | D1 | D0 | A5 | RST | SWD
User.8: 4
User.23: 1,6 | 4 | 1 | 5.1 | 4.1 | 6.1 | 8.9 | 9.9 | 10.9 | N/A | 90 OHM | 100 OHM | +/-10%
User.35: 2 | 10 | 20 | 30 | 40 | 50 | 59 | 60 | 25 | 1 | 6
User.37: 3 | 4 | 2 | 1 | U1 | 20 | 19 | CN1 | 14.0mm | 18.4mm
User.41: FIGURE | SIZE | 6.0 | 8.0 | 10.0 | 12.0 | 25.0 | 33.0 | 35.0 | 36.0 | 40.0 | 138.0 | 177.0 | 28.0 | 38.0 | 39.0 | 47.0 | 79.0 | 33.0x30.0 | 51.0x24.0 | 59.0x33.0 | 63.0x40.0 | 87.0x28.0 | DRILL CHART: TOP to BOTTOM | ALL UNITS ARE IN MILS | TOLERANCE | +3.0/-3.0 | +5.0/-5.0 | +2.0/-2.0 | +0.0/-0.0 | PLATED | NON-PLATED | QTY | 31 | 346 | 444 | 356 | 20 | 4 | 12 | 34 | 22 | 3 | 2 | 1
